# Altium PCB PCB - PCBWAY.PcbDoc (part 2 of 4) (continued)
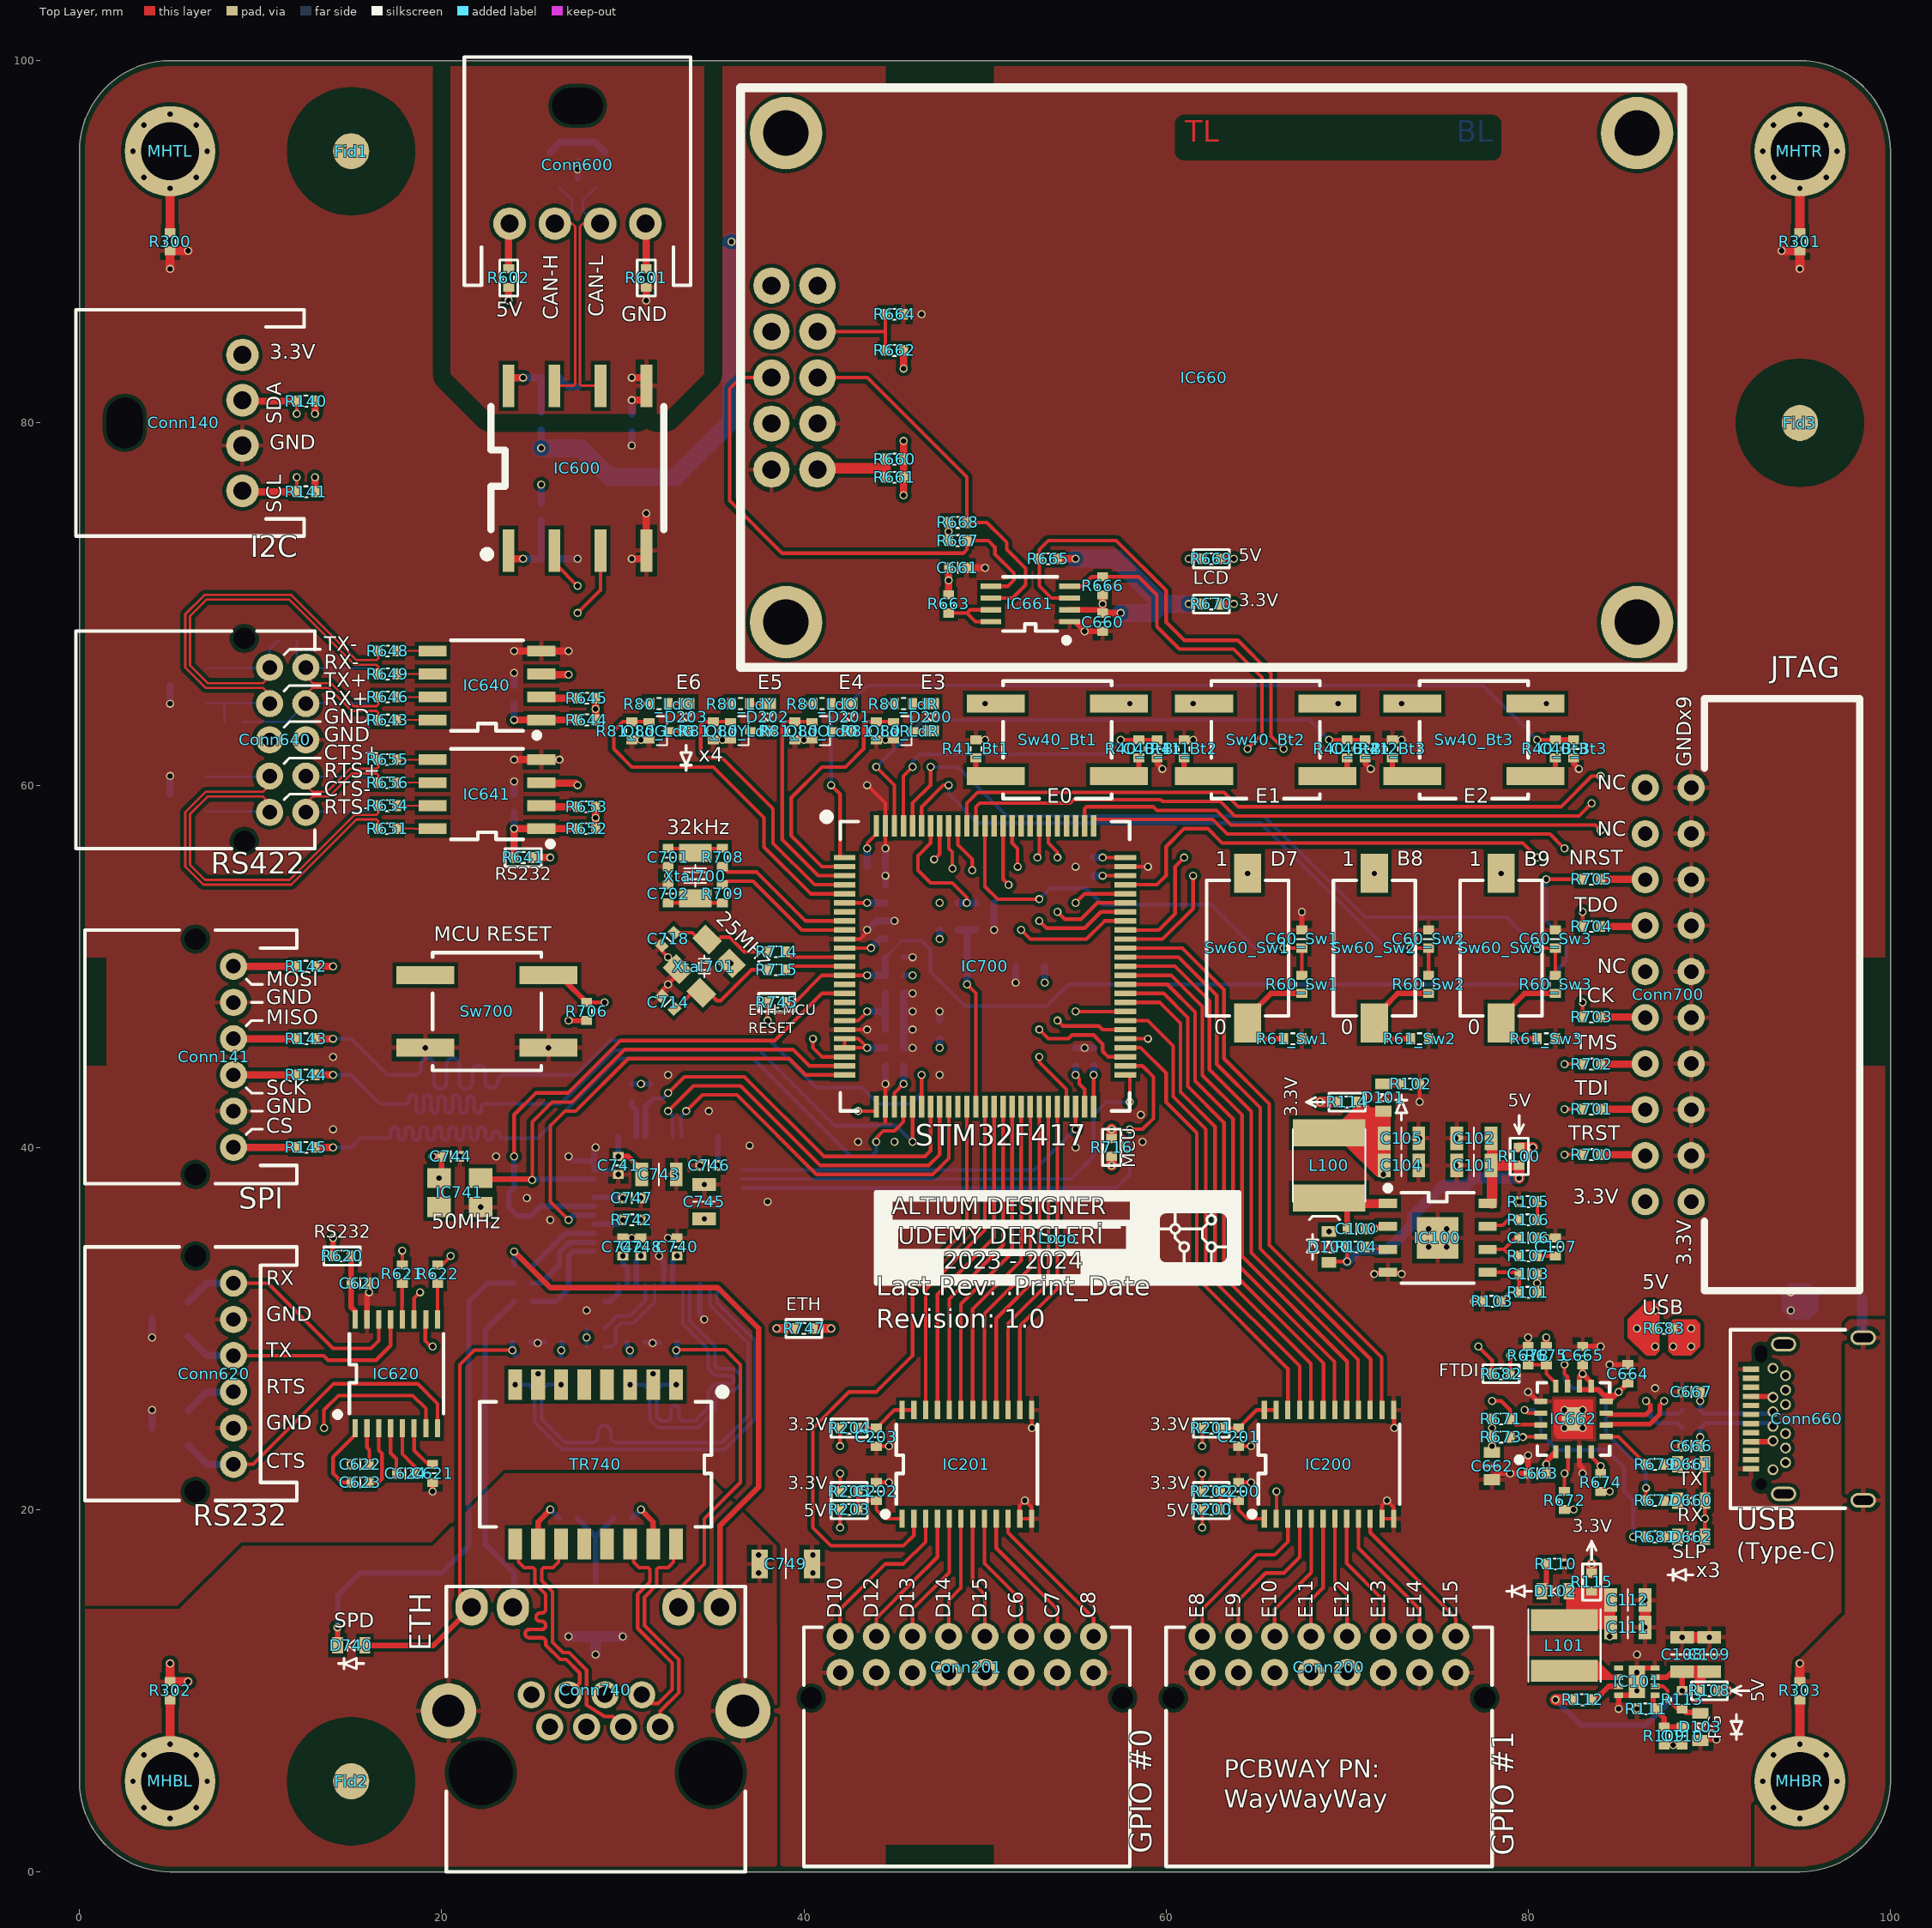
[diagram p0: Top Layer view]
## Part data (continued)
MHBL MHBR MHTL MHTR: "Mechanical, Mounting Hole", Component Category=Mechanical, Component Type="Mounting Hole"
Pin300 Pin301 Pin318 Pin319 Pin352 Pin353 Pin356 Pin357: "Pin, JST, SXA-001T-P0.6", Manufacturer=JST, Manufacturer Part Number=SXA-001T-P0.6, Operating Temperature, Max=---℃, Package=Housing, Supplier Part Number=455-1904-1-ND, Component Category=Connector, Component Type=Pin, ComponentLink1Description=Datasheet, ComponentLink1URL="E:\Altium\Datasheets\Connector - JST\XA Family.pdf", ComponentLink2Description="Supplier Link", ComponentLink2URL=https://www.digikey.com/en/products/detail/jst-sales-america-inc/SXA-001T-P0-6/923775, Operating Temperature, Min=---℃, Price, Max=0.01303, Price, Min=0.1, Quantity, Max=56000, Quantity, Min=1, Supplier=Digikey, Supplier Currency=$, Supplier Link=https://www.digikey.com/en/products/detail/jst-sales-america-inc/SXA-001T-P0-6/923775
Pin302 Pin303 Pin304 Pin305 Pin306 Pin307 Pin308 Pin309 Pin310 Pin311 Pin312 Pin313 Pin314 Pin315 Pin316 Pin317 Pin320 Pin321 Pin322 Pin323 Pin324 Pin325 Pin326 Pin327 Pin328 Pin329 Pin330 Pin331 Pin332 Pin333 Pin334 Pin335 Pin336 Pin337 Pin338 Pin343 Pin344 Pin345 Pin348 Pin349 Pin350 Pin351: "Pin, JST, SPND-001T-C0.5", Manufacturer=JST, Manufacturer Part Number=SPND-001T-C0.5, Operating Temperature, Max=---℃, Package=Housing, Supplier Part Number=455-2303-1-ND, Component Category=Connector, Component Type=PCB, ComponentLink1Description=Datasheet, ComponentLink1URL="E:\Altium\Datasheets\Connector - JST\PAD Family.pdf", ComponentLink2Description="Supplier Link", ComponentLink2URL=https://www.digikey.com/en/products/detail/jst-sales-america-inc/SPND-001T-C0-5/1788519, Operating Temperature, Min=---℃, Price, Max=0.01409, Price, Min=0.1, Quantity, Max=56000, Quantity, Min=1, Supplier=Digikey, Supplier Currency=$, Supplier Link=https://www.digikey.com/en/products/detail/jst-sales-america-inc/SPND-001T-C0-5/1788519
Pin339 Pin340 Pin341 Pin342 Pin346 Pin347: "Pin, JST, SPHD-001T-P0.5", Manufacturer=JST, Manufacturer Part Number=SPHD-001T-P0.5, Operating Temperature, Max=*℃, Package=Housing, Supplier Part Number=455-1325-1-ND, Component Category=Connector, Component Type=PCB, ComponentLink1Description=Datasheet, ComponentLink1URL="E:\Altium\Datasheets\Connector - JST\PA Family.pdf", ComponentLink2Description="Supplier Link", ComponentLink2URL=https://www.digikey.com/en/products/detail/jst-sales-america-inc/SPHD-001T-P0-5/608766, Operating Temperature, Min=*℃, Price, Max=0.01478, Price, Min=0.1, Quantity, Max=2500, Quantity, Min=1, Supplier=Digikey, Supplier Currency=$, Supplier Link=https://www.digikey.com/en/products/detail/jst-sales-america-inc/SPHD-001T-P0-5/608766
Pin354 Pin355 Pin358 Pin359 Pin360 Pin361: "IC, Interface, FTDI, QFN-16", Manufacturer=JST, Manufacturer Part Number=SPHD-001T-P0.5, Operating Temperature, Max=*℃, Package=Housing, Supplier Part Number=455-1325-1-ND, Component Category=Connector, Component Type=PCB, ComponentLink1Description=Datasheet, ComponentLink1URL="E:\Altium\Datasheets\Connector - JST\PA Family.pdf", ComponentLink2Description="Supplier Link", ComponentLink2URL=https://www.digikey.com/en/products/detail/jst-sales-america-inc/SPHD-001T-P0-5/608766, Operating Temperature, Min=*℃, Price, Max=0.01478, Price, Min=0.1, Quantity, Max=2500, Quantity, Min=1, Supplier=Digikey, Supplier Currency=$, Supplier Link=https://www.digikey.com/en/products/detail/jst-sales-america-inc/SPHD-001T-P0-5/608766
Q80_LdG Q80_LdO Q80_LdR Q80_LdY: "MOSFET, N-CH, 20V, 100mA, SOT-416FL", Current=100mA, Manufacturer=Rohm, Manufacturer Part Number=RE1C001UNTCL, Operating Temperature, Max=*℃, Package="SOT-416FL, SC-89", Supplier Part Number=RE1C001UNTCLCT-ND, Voltage=20V, Component Category=Transistor, Component Type=Mosfet, ComponentLink1Description=Datasheet, ComponentLink1URL="E:\Altium\Datasheets\Transistor\Rohm, RE1C001UN.pdf", ComponentLink2Description="Supplier Link", ComponentLink2URL=https://www.digikey.com/en/products/detail/rohm-semiconductor/RE1C001UNTCL/4004557, Operating Temperature, Min=*℃, Price, Max=0.0638, Price, Min=0.42, Quantity, Max=6000, Quantity, Min=1, Supplier=Digikey, Supplier Currency=$, Supplier Link=https://www.digikey.com/en/products/detail/rohm-semiconductor/RE1C001UNTCL/4004557
R40_Bt1 R40_Bt2 R40_Bt3 R60_Sw1 R60_Sw2 R60_Sw3 R102 R110 R113 R707: "Res, 1K, 1%, M1005", Manufacturer=Yageo, Manufacturer Part Number=RC0402FR-071KP, Operating Temperature, Max=-55℃, Operating Temperature, Min=+155℃, Package=M1005, Supplier Part Number=YAG1254CT-ND, Tolerance=1%, Component Category=Resistor, Component Type="Fixed Value", ComponentLink1Description=Datasheet, ComponentLink1URL="E:\Altium\Datasheets\Resistor\Yageo - RC_L Series.pdf", ComponentLink2Description="Supplier Link", ComponentLink2URL=https://www.digikey.com/en/products/detail/yageo/RC0402FR-071KP/4935269, Price, Max=0.00282, Price, Min=0.1, Quantity, Max=100000, Quantity, Min=1, Supplier=Digikey, Supplier Currency=$, Supplier Link=https://www.digikey.com/en/products/detail/yageo/RC0402FR-071KP/4935269
R41_Bt1 R41_Bt2 R41_Bt3 R61_Sw1 R61_Sw2 R61_Sw3 R81_LdG R81_LdO R81_LdR R81_LdY R111: "Res, 10K, 1%, M1005", Manufacturer=Yageo, Manufacturer Part Number=RC0402FR-07100KP, Operating Temperature, Max=-55℃, Operating Temperature, Min=+155℃, Package=M1005, Supplier Part Number=13-RC0402FR-07100KPCT-ND, Tolerance=1%, Component Category=Resistor, Component Type="Fixed Value", ComponentLink1Description=Datasheet, ComponentLink1URL="E:\Altium\Datasheets\Resistor\Yageo - RC_L Series.pdf", ComponentLink2Description="Supplier Link", ComponentLink2URL=https://www.digikey.com/en/products/detail/yageo/RC0402FR-07100KP/12698883, Price, Max=0.00282, Price, Min=0.1, Quantity, Max=100000, Quantity, Min=1, Supplier=Digikey, Supplier Currency=$, Supplier Link=https://www.digikey.com/en/products/detail/yageo/RC0402FR-07100KP/12698883
R80_LdG R80_LdO R80_LdR R80_LdY R142 R143 R144 R145 R621 R622 R645 R653 R660 R661 R677 R679 R681 R748 R749 R752: "Res, 330R, 1%, M1005", Manufacturer=Yageo, Manufacturer Part Number=RC0402FR-07330RL, Operating Temperature, Max=-55℃, Operating Temperature, Min=+155℃, Package=M1005, Supplier Part Number=311-330LRCT-ND, Tolerance=1%, Component Category=Resistor, Component Type="Fixed Value", ComponentLink1Description=Datasheet, ComponentLink1URL="E:\Altium\Datasheets\Resistor\Yageo - RC_L Series.pdf", ComponentLink2Description="Supplier Link", ComponentLink2URL=https://www.digikey.com/en/products/detail/yageo/RC0402FR-07330RL/726594, Price, Max=0.00129, Price, Min=0.1, Quantity, Max=100000, Quantity, Min=1, Supplier=Digikey, Supplier Currency=$, Supplier Link=https://www.digikey.com/en/products/detail/yageo/RC0402FR-07330RL/726594
R100 R108 R112 R114 R115 R200 R201 R202 R203 R204 R205 R300 R301 R302 R303 R600 R601 R602 R603 R604 R620 R641 R657 R658 R669 R670 R682 R683 R708 R709 R710 R711 R712 R713 R714 R715 R716 R745 R747: "Res, 0R, M1005", Manufacturer=Yageo, Manufacturer Part Number=RC0402FR-070RL, Operating Temperature, Max=-55℃, Operating Temperature, Min=+155℃, Package=M1005, Supplier Part Number=311-0.0LRCT-ND, Component Category=Resistor, Component Type="Fixed Value", ComponentLink1Description=Datasheet, ComponentLink1URL="E:\Altium\Datasheets\Resistor\Yageo - RC_L Series.pdf", ComponentLink2Description="Supplier Link", ComponentLink2URL=https://www.digikey.com/en/products/detail/yageo/RC0402FR-070RL/2827570, Price, Max=0.00109, Price, Min=0.1, Quantity, Max=50000, Quantity, Min=1, Supplier=Digikey, Supplier Currency=$, Supplier Link=https://www.digikey.com/en/products/detail/yageo/RC0402FR-070RL/2827570
R101: "Res, 56K, 1%, M1005", Manufacturer=Yageo, Manufacturer Part Number=RC0402FR-0775KL, Operating Temperature, Max=-55℃, Operating Temperature, Min=+155℃, Package=M1005, Supplier Part Number=311-75KLRCT-ND, Tolerance=1%, Component Category=Resistor, Component Type="Fixed Value", ComponentLink1Description=Datasheet, ComponentLink1URL="E:\Altium\Datasheets\Resistor\Yageo - RC_L Series.pdf", ComponentLink2Description="Supplier Link", ComponentLink2URL=https://www.digikey.com/en/products/detail/yageo/RC0402FR-0775KL/2827576, Price, Max=0.00129, Price, Min=0.1, Quantity, Max=100000, Quantity, Min=1, Supplier=Digikey, Supplier Currency=$, Supplier Link=https://www.digikey.com/en/products/detail/yageo/RC0402FR-0775KL/2827576
R103: "Res, 24K, 1%, M1005", Manufacturer=Yageo, Manufacturer Part Number=RC0402FR-0724KL, Operating Temperature, Max=-55℃, Operating Temperature, Min=+155℃, Package=M1005, Supplier Part Number=311-24KLRCT-ND, Tolerance=1%, Component Category=Resistor, Component Type="Fixed Value", ComponentLink1Description=Datasheet, ComponentLink1URL="E:\Altium\Datasheets\Resistor\Yageo - RC_L Series.pdf", ComponentLink2Description="Supplier Link", ComponentLink2URL=https://www.digikey.com/en/products/detail/yageo/RC0402FR-0724KL/2827581, Price, Max=0.00129, Price, Min=0.1, Quantity, Max=100000, Quantity, Min=1, Supplier=Digikey, Supplier Currency=$, Supplier Link=https://www.digikey.com/en/products/detail/yageo/RC0402FR-0724KL/2827581
R104: "Res, 16K, 1%, M1005", Manufacturer=Yageo, Manufacturer Part Number=RC0402FR-07150KL, Operating Temperature, Max=-55℃, Operating Temperature, Min=+155℃, Package=M1005, Supplier Part Number=311-150KLRCT-ND, Tolerance=1%, Component Category=Resistor, Component Type="Fixed Value", ComponentLink1Description=Datasheet, ComponentLink1URL="E:\Altium\Datasheets\Resistor\Yageo - RC_L Series.pdf", ComponentLink2Description="Supplier Link", ComponentLink2URL=https://www.digikey.com/en/products/detail/yageo/RC0402FR-07150KL/726542, Price, Max=0.00129, Price, Min=0.1, Quantity, Max=100000, Quantity, Min=1, Supplier=Digikey, Supplier Currency=$, Supplier Link=https://www.digikey.com/en/products/detail/yageo/RC0402FR-07150KL/726542
R105 R106: "Res, 56K, 1%, M1005", Manufacturer=Yageo, Manufacturer Part Number=RC0402FR-0756KL, Operating Temperature, Max=-55℃, Operating Temperature, Min=+155℃, Package=M1005, Supplier Part Number=311-56.0KLRCT-ND, Tolerance=1%, Component Category=Resistor, Component Type="Fixed Value", ComponentLink1Description=Datasheet, ComponentLink1URL="E:\Altium\Datasheets\Resistor\Yageo - RC_L Series.pdf", ComponentLink2Description="Supplier Link", ComponentLink2URL=https://www.digikey.com/en/products/detail/yageo/RC0402FR-0756KL/726635, Price, Max=0.00129, Price, Min=0.1, Quantity, Max=100000, Quantity, Min=1, Supplier=Digikey, Supplier Currency=$, Supplier Link=https://www.digikey.com/en/products/detail/yageo/RC0402FR-0756KL/726635
R107: "Res, 16K, 1%, M1005", Manufacturer=Yageo, Manufacturer Part Number=RC0402FR-0716KL, Operating Temperature, Max=-55℃, Operating Temperature, Min=+155℃, Package=M1005, Supplier Part Number=311-16.0KLRCT-ND, Tolerance=1%, Component Category=Resistor, Component Type="Fixed Value", ComponentLink1Description=Datasheet, ComponentLink1URL="E:\Altium\Datasheets\Resistor\Yageo - RC_L Series.pdf", ComponentLink2Description="Supplier Link", ComponentLink2URL=https://www.digikey.com/en/products/detail/yageo/RC0402FR-0716KL/726544, Price, Max=0.00129, Price, Min=0.1, Quantity, Max=100000, Quantity, Min=1, Supplier=Digikey, Supplier Currency=$, Supplier Link=https://www.digikey.com/en/products/detail/yageo/RC0402FR-0716KL/726544
R109: "Res, 10K, 1%, M1005", Manufacturer=Yageo, Manufacturer Part Number=RC0402FR-07453KL, Operating Temperature, Max=-55℃, Operating Temperature, Min=+155℃, Package=M1005, Supplier Part Number=YAG3164CT-ND, Tolerance=1%, Component Category=Resistor, Component Type="Fixed Value", ComponentLink1Description=Datasheet, ComponentLink1URL="E:\Altium\Datasheets\Resistor\Yageo - RC_L Series.pdf", ComponentLink2Description="Supplier Link", ComponentLink2URL=https://www.digikey.com/en/products/detail/yageo/RC0402FR-07453KL/5281024, Price, Max=0.00129, Price, Min=0.1, Quantity, Max=100000, Quantity, Min=1, Supplier=Digikey, Supplier Currency=$, Supplier Link=https://www.digikey.com/en/products/detail/yageo/RC0402FR-07453KL/5281024
R140 R141 R740 R741 R743 R744: "Res, 2.2K, 1%, M1005", Manufacturer=Yageo, Manufacturer Part Number=RC0402FR-072K2L, Operating Temperature, Max=-55℃, Operating Temperature, Min=+155℃, Package=M1005, Supplier Part Number=311-2.20KLRCT-ND, Tolerance=1%, Component Category=Resistor, Component Type="Fixed Value", ComponentLink1Description=Datasheet, ComponentLink1URL="E:\Altium\Datasheets\Resistor\Yageo - RC_L Series.pdf", ComponentLink2Description="Supplier Link", ComponentLink2URL=https://www.digikey.com/en/products/detail/yageo/RC0402FR-072K2L/726553, Price, Max=0.00129, Price, Min=0.1, Quantity, Max=100000, Quantity, Min=1, Supplier=Digikey, Supplier Currency=$, Supplier Link=https://www.digikey.com/en/products/detail/yageo/RC0402FR-072K2L/726553
R605 R606 R640 R642 R647 R650: "Res, 60.4R, 1%, M1005", Manufacturer=Yageo, Manufacturer Part Number=RC0805FR-0760R4L, Operating Temperature, Max=-55℃, Operating Temperature, Min=+155℃, Package=M2012, Supplier Part Number=311-60.4CRCT-ND, Tolerance=1%, Component Category=Resistor, Component Type="Fixed Value", ComponentLink1Description=Datasheet, ComponentLink1URL="E:\Altium\Datasheets\Resistor\Yageo - RC_L Series.pdf", ComponentLink2Description="Supplier Link", ComponentLink2URL=https://www.digikey.com/en/products/detail/yageo/RC0805FR-0760R4L/728073, Price, Max=0.00328, Price, Min=0.1, Quantity, Max=125000, Quantity, Min=1, Supplier=Digikey, Supplier Currency=$, Supplier Link=https://www.digikey.com/en/products/detail/yageo/RC0805FR-0760R4L/728073
R643 R646 R648 R649 R651 R654 R655 R656 R676 R680 R700 R701 R702 R703 R704 R705: "Res, 22R, 1%, M1005", Manufacturer=Yageo, Manufacturer Part Number=RC0402FR-0722RL, Operating Temperature, Max=-55℃, Operating Temperature, Min=+155℃, Package=M1005, Supplier Part Number=311-22.0LRCT-ND, Tolerance=1%, Component Category=Resistor, Component Type="Fixed Value", ComponentLink1Description=Datasheet, ComponentLink1URL="E:\Altium\Datasheets\Resistor\Yageo - RC_L Series.pdf", ComponentLink2Description="Supplier Link", ComponentLink2URL=https://www.digikey.com/en/products/detail/yageo/RC0402FR-0722RL/726562, Price, Max=0.00129, Price, Min=0.1, Quantity, Max=100000, Quantity, Min=1, Supplier=Digikey, Supplier Currency=$, Supplier Link=https://www.digikey.com/en/products/detail/yageo/RC0402FR-0722RL/726562
R644 R652 R662 R664 R665 R666 R667 R668 R678 R706 R742: "Res, 10K, 1%, M1005", Manufacturer=Yageo, Manufacturer Part Number=RC0402FR-0710KP, Operating Temperature, Max=-55℃, Operating Temperature, Min=+155℃, Package=M1005, Supplier Part Number=YAG1249CT-ND, Tolerance=1%, Component Category=Resistor, Component Type="Fixed Value", ComponentLink1Description=Datasheet, ComponentLink1URL="E:\Altium\Datasheets\Resistor\Yageo - RC_L Series.pdf", ComponentLink2Description="Supplier Link", ComponentLink2URL=https://www.digikey.com/en/products/detail/yageo/RC0402FR-0710KP/4935264, Price, Max=0.00282, Price, Min=0.1, Quantity, Max=100000, Quantity, Min=1, Supplier=Digikey, Supplier Currency=$, Supplier Link=https://www.digikey.com/en/products/detail/yageo/RC0402FR-0710KP/4935264
R663: "Res, 10K, 1%, M1005", Manufacturer=Yageo, Manufacturer Part Number=RC0402FR-07200KL, Operating Temperature, Max=-55℃, Operating Temperature, Min=+155℃, Package=M1005, Supplier Part Number=311-200KLRCT-ND, Tolerance=1%, Component Category=Resistor, Component Type="Fixed Value", ComponentLink1Description=Datasheet, ComponentLink1URL="E:\Altium\Datasheets\Resistor\Yageo - RC_L Series.pdf", ComponentLink2Description="Supplier Link", ComponentLink2URL=https://www.digikey.com/en/products/detail/yageo/RC0402FR-07200KL/726558, Price, Max=0.00129, Price, Min=0.1, Quantity, Max=100000, Quantity, Min=1, Supplier=Digikey, Supplier Currency=$, Supplier Link=https://www.digikey.com/en/products/detail/yageo/RC0402FR-07200KL/726558
R671 R672 R673 R674 R675: "Res, 4.7K, 1%, M1005", Manufacturer=Yageo, Manufacturer Part Number=RC0402FR-074K7L, Operating Temperature, Max=-55℃, Operating Temperature, Min=+155℃, Package=M1005, Supplier Part Number=311-4.7KLRCT-ND, Tolerance=1%, Component Category=Resistor, Component Type="Fixed Value", ComponentLink1Description=Datasheet, ComponentLink1URL="E:\Altium\Datasheets\Resistor\Yageo - RC_L Series.pdf", ComponentLink2Description="Supplier Link", ComponentLink2URL=https://www.digikey.com/en/products/detail/yageo/RC0402FR-074K7L/2827563, Price, Max=0.00129, Price, Min=0.1, Quantity, Max=100000, Quantity, Min=1, Supplier=Digikey, Supplier Currency=$, Supplier Link=https://www.digikey.com/en/products/detail/yageo/RC0402FR-074K7L/2827563
R746: "Res, 4.87K, 1%, M1005", Manufacturer=Yageo, Manufacturer Part Number=RC0402FR-074K87L, Operating Temperature, Max=-55℃, Operating Temperature, Min=+155℃, Package=M1005, Supplier Part Number=YAG3175CT-ND, Tolerance=1%, Component Category=Resistor, Component Type="Fixed Value", ComponentLink1Description=Datasheet, ComponentLink1URL="E:\Altium\Datasheets\Resistor\Yageo - RC_L Series.pdf", ComponentLink2Description="Supplier Link", ComponentLink2URL=https://www.digikey.com/en/products/detail/yageo/RC0402FR-074K87L/5281035, Price, Max=0.00129, Price, Min=0.1, Quantity, Max=100000, Quantity, Min=1, Supplier=Digikey, Supplier Currency=$, Supplier Link=https://www.digikey.com/en/products/detail/yageo/RC0402FR-074K87L/5281035
R750 R751 R753 R754: "Res, 51R, 1%, M1005", Manufacturer=Yageo, Manufacturer Part Number=RC0402FR-0751RL, Operating Temperature, Max=-55℃, Operating Temperature, Min=+155℃, Package=M1005, Supplier Part Number=311-51.0LRCT-ND, Tolerance=1%, Component Category=Resistor, Component Type="Fixed Value", ComponentLink1Description=Datasheet, ComponentLink1URL="E:\Altium\Datasheets\Resistor\Yageo - RC_L Series.pdf", ComponentLink2Description="Supplier Link", ComponentLink2URL=https://www.digikey.com/en/products/detail/yageo/RC0402FR-0751RL/726629, Price, Max=0.00129, Price, Min=0.1, Quantity, Max=100000, Quantity, Min=1, Supplier=Digikey, Supplier Currency=$, Supplier Link=https://www.digikey.com/en/products/detail/yageo/RC0402FR-0751RL/726629
R755 R756: "Res, 75R, 1%, M1005", Manufacturer=Yageo, Manufacturer Part Number=RC0402FR-0775RL, Operating Temperature, Max=-55℃, Operating Temperature, Min=+155℃, Package=M1005, Supplier Part Number=311-75.0LRCT-ND, Tolerance=1%, Component Category=Resistor, Component Type="Fixed Value", ComponentLink1Description=Datasheet, ComponentLink1URL="E:\Altium\Datasheets\Resistor\Yageo - RC_L Series.pdf", ComponentLink2Description="Supplier Link", ComponentLink2URL=https://www.digikey.com/en/products/detail/yageo/RC0402FR-0775RL/726658, Price, Max=0.00129, Price, Min=0.1, Quantity, Max=100000, Quantity, Min=1, Supplier=Digikey, Supplier Currency=$, Supplier Link=https://www.digikey.com/en/products/detail/yageo/RC0402FR-0775RL/726658
Sw40_Bt1 Sw40_Bt2 Sw40_Bt3 Sw700: "Switch, Tactile, SPST, SMD", Manufacturer=Panasonic, Manufacturer Part Number=EVQ-Q2K03W, Operating Temperature, Max=+85℃, Operating Temperature, Min=-40℃, Package=SMD, Supplier Part Number=P12943SCT-ND, Component Category=Switch, Component Type=Tactile, ComponentLink1Description=Datasheet, ComponentLink1URL="E:\Altium\Datasheets\Switch\Tactile, SPST - Panasonic, EVQP0, EVQQ2, EVQ6Q2, EVQ7Q2, EVPBT Series.pdf", ComponentLink2Description="Supplier Link", ComponentLink2URL=https://www.digikey.com/en/products/detail/panasonic-electronic-components/EVQ-Q2K03W/762893, Price, Max=0.16174, Price, Min=0.32, Quantity, Max=10000, Quantity, Min=1, Supplier=Digikey, Supplier Currency=$, Supplier Link=https://www.digikey.com/en/products/detail/panasonic-electronic-components/EVQ-Q2K03W/762893
Sw60_Sw1 Sw60_Sw2 Sw60_Sw3: "Switch, Slide, SPST, SMD", Manufacturer=C&K, Manufacturer Part Number=SDA01H1SBD, Operating Temperature, Max=+85℃, Operating Temperature, Min=-40℃, Package=SMD, Supplier Part Number=CKN10358-ND, Component Category=Switch, Component Type=Slide, ComponentLink1Description=Datasheet, ComponentLink1URL="E:\Altium\Datasheets\Switch\Slide, SPST - C&K, SDA Series.pdf", ComponentLink2Description="Supplier Link", ComponentLink2URL=https://www.digikey.com/en/products/detail/c-k/SDA01H1SBD/2263273, Price, Max=0.69803, Price, Min=1.34, Quantity, Max=5000, Quantity, Min=1, Supplier=Digikey, Supplier Currency=$, Supplier Link=https://www.digikey.com/en/products/detail/c-k/SDA01H1SBD/2263273
TR740: Manufacturer=Bourns, Manufacturer Part Number=SM13126PEL, Operating Temperature, Max=+85℃, Operating Temperature, Min=-40℃, Package="SMD, 12.8x6.9 mm", Supplier Part Number=SM13126PELCT-ND, Component Category=Transformer, Component Type=Pulse, ComponentLink1Description=Datasheet, ComponentLink1URL="E:\Altium\Datasheets\Transformer\Transformer, Pulse - Bourns, SM51108PEL.pdf", ComponentLink2Description="Supplier Link", ComponentLink2URL=https://www.digikey.com/en/products/detail/bourns-inc/SM13126PEL/10229989, Price, Max=1.05049, Price, Min=2.17, Quantity, Max=6000, Quantity, Min=1, Supplier=Digikey, Supplier Currency=$, Supplier Link=https://www.digikey.com/en/products/detail/bourns-inc/SM13126PEL/10229989
TVS620 TVS621 TVS640 TVS641 TVS642 TVS643: "TVS, 2P, Bidirectional, 7V/12V, SOT-23-3", Manufacturer=Bourns, Manufacturer Part Number=CDSOT23-SM712, Operating Temperature, Max=+150℃, Operating Temperature, Min=-55℃, Package=SOT-23-3, Supplier Part Number=CDSOT23-SM712CT-ND, Voltage, Break Down=7.5V...13.3V, Voltage, Stand Off=7V...12V, Component Category=Diode, Component Type=TVS, ComponentLink1Description=Datasheet, ComponentLink1URL="E:\Altium\Datasheets\Diode\Bourns, CDSOT23-SM712.pdf", ComponentLink2Description="Supplier Link", ComponentLink2URL=https://www.digikey.com/en/products/detail/bourns-inc/CDSOT23-SM712/1630592, Price, Max=0.675, Price, Min=1.59, Quantity, Max=3000, Quantity, Min=1, Supplier=Digikey, Supplier Currency=$, Supplier Link=https://www.digikey.com/en/products/detail/bourns-inc/CDSOT23-SM712/1630592
Xtal700: "XTAL, 32.768kHz, 12.5pF", Frequency=32.768kHz, Manufacturer=NDK, Manufacturer Part Number=NX3215SA-32.768K-STD-MUS-2, Operating Temperature, Max=+125℃, Operating Temperature, Min=-40℃, Package=SMD, Supplier Part Number=644-1159-1-ND, Component Category=Crystal, Component Type=Crystal, ComponentLink1Description=Datasheet, ComponentLink1URL="E:\Altium\Datasheets\Crystal\NDK, NX3215SA.pdf", ComponentLink2Description="Supplier Link", ComponentLink2URL=https://www.digikey.com/en/products/detail/ndk-america-inc/NX3215SA-32-768K-STD-MUS-2/2349033, Price, Max=0.3432, Price, Min=0.74, Quantity, Max=15000, Quantity, Min=1, Supplier=Digikey, Supplier Currency=$, Supplier Link=https://www.digikey.com/en/products/detail/ndk-america-inc/NX3215SA-32-768K-STD-MUS-2/2349033
Xtal701: "XTAL, 25MHz, 12pF", Frequency=25MHz, Manufacturer=Kyocera, Manufacturer Part Number=CX3225SB25000H0FLJCC, Operating Temperature, Max=+85℃, Operating Temperature, Min=-30℃, Package=SMD, Supplier Part Number=478-CX3225SB25000H0FLJCCCT-ND, Component Category=Crystal, Component Type=Crystal, ComponentLink1Description=Datasheet, ComponentLink1URL="E:\Altium\Datasheets\Crystal\Kyocera, CX3225SB.pdf", ComponentLink2Description="Supplier Link", ComponentLink2URL=https://www.digikey.com/en/products/detail/kyocera-avx/cx3225sb25000h0fljcc/6123312, Price, Max=0.34087, Price, Min=0.66, Quantity, Max=15000, Quantity, Min=1, Supplier=Digikey, Supplier Currency=$, Supplier Link=https://www.digikey.com/en/products/detail/kyocera-avx/cx3225sb25000h0fljcc/6123312

## Via types
v1: diameter 0.45, hole 0.3, Top Layer to Bottom Layer, 245 vias
v2: diameter 0.45, hole 0.3, Top Layer to Bottom Layer, tented top, 88 vias
v3: diameter 0.45, hole 0.3, Top Layer to Bottom Layer, tented bottom, 32 vias
v4: diameter 0.45, hole 0.3, Top Layer to Bottom Layer, tented both sides, 2 vias

## Nets (pads, with @x,y where several pads share a name; then routed paths per layer and width w, separated by ;. In a path a pad name is that pad's centre, name@x,y a point inside that pad or via, vN(x,y) a via of type N, cw(c..) or ccw(c..) an arc to the next point about the centre after c; other vN are vias at no path point)
3.3V: Conn140.1 Conn700.1 Conn700.2 R80_LdG.1 R80_LdO.1 R80_LdR.1 R80_LdY.1 R114.2 R115.2 R140.1 R141.1 R201.1 R202.2 R204.1 R205.2 R600.1 R620.1 R641.1 R670.1 R682.1 R706.1 R716.1 R747.1 Sw40_Bt1.A Sw40_Bt2.A Sw40_Bt3.A Sw60_Sw1.A Sw60_Sw2.A Sw60_Sw3.A | length 17.2
  Top Layer w0.2: v2(31,64.5) R80_LdG.1@31.5,64.5 ; v2(35.5,64.5) R80_LdY.1@36,64.5 ; v2(40,64.5) R80_LdO.1@40.5,64.5 ; R205.2@42,21 v1(42,22) ; v1(42,23.5) R204.1@42,24.5 ; v2(44.5,64.5) R80_LdR.1@45,64.5 ; R202.2@62,21 v1(62,22) ; v1(62,23.5) R201.1@62,24.5 ; v1(77.25,29) 78,28.25 78,27.75 R682.1@78,27.5
  Top Layer w0.3: R620.1@14,34 v2(14,35) ; v1(27,47) R706.1@28,47
  Top Layer w0.4: R141.1@13,76.2 v1(13,77) ; v2(13,80.5) R140.1@13,81.2 R140.1@13,81.3 ; R641.1@25,56 v1(26,56) ; R670.1@63,70 v2(63.75,70)
  Top Layer w0.5: R747.1@40.5,30 v1(41.5,30)
  Top Layer w0.6: v1(57,39) R716.1@57,39.5 ; v2(68.5,42.5) R114.2@69.5,42.5 ; R115.2@83.5,16.5 v2(83.5,17)
  Bottom Layer w0.4: R600.1@25.5,75.6 v1(25.5,76.6)
  other v1: 64.5,55.125 71.5,55.125 78.5,55.125 50,64.5 58,64.5 61.5,64.5 69.5,64.5 73,64.5 81,64.5
3.3V_AP: C110.1 C111.1 C112.1 D102.A L101.2 R109.1 R115.1 | length 9.2
  Layer 3 w0.3: v1(84.5,13) 84.5,9.9 84.1,9.5 84.1,8.4 84.6,7.9 86.4,7.9 87.3,7 v2(88,7)
3.3V_ETH: C744.1 C745.1 C746.1 C747.1 C748.1 C750.2 C752.1 C753.1 C754.2 Conn740.L1-A Conn740.L2-A D740.A IC740.22 IC740.32 IC740.48 IC741.EN IC741.VDD R740.1 R741.1 R742.1 R743.1 R744.1 R747.2 R750.2 R751.1 R753.2 R754.1 TR740.2 TR740.7 | length 56.8
  Top Layer w0.2: Conn740.L1-A@21.65,14.604 21,15.254 21,28 21.8,28.8 v3(23.9,28.8) ; v3@32.975,28.825 35.675,28.825 36.5,28 36.5,21.5 34.5,19.5 34.5,17 33.08,15.58 Conn740.L2-A@33.08,14.604
  Top Layer w0.3: D740.A@15.8,12.5 19.546,12.5 Conn740.L1-A@21.65,14.604 ; v2(19.5,39.5) C744.1@20,39.5 20,36.85 IC741.EN@19.85,36.7 ; v3(32.95,28.8) v3@32.975,28.825
  Top Layer w0.5: v1(38.5,30) R747.2@39.5,30
  Bottom Layer w0.2: R743.1@28,29 v3(28,29.5) R744.1@28,30
  Bottom Layer w0.3: C752.1@23.9,29.25 v3(23.9,28.8) 24.055,28.645 R754.1@24.055,28.5 ; R753.2@26.595,28.475 26.595,28.795 v3(26.6,28.8) 26.65,28.85 C754.2@26.65,29.25 ; IC740.32@28.4,37.25 29.95,37.25 v1(30,37.2) ; C753.1@30.25,29.25 30.25,28.95 v3(30.4,28.8) 30.405,28.795 R751.1@30.405,28.5 ; R741.1@30.5,43.5 v1(31,43.5) R740.1@31.5,43.5 ; IC740.22@30.75,32.4 30.75,33.75 v1(31,34) ; R750.2@32.945,28.475 R750.2@32.945,28.5 32.945,28.795 v3(32.95,28.8) 33,28.85 C750.2@33,29.25 ; v1(35.25,39) IC740.48@35.25,40.6
  other v1: 25.325,27.5 31.675,27.5 31,36 34.5,36.05 19.85,38.3
3.3V_FT: C662.1 C663.1 C664.1 C665.1 D660.A D661.A D662.A IC662.1 IC662.8 IC662.9 IC662.10 R671.1 R672.1 R673.1 R674.1 R682.2 | length 16.1
  Top Layer w0.2: R682.2@79,27.5 v1(79,28.5) ; v2(81,22.5) v2@81,22.665 ; IC662.8@84.31,25.975 IC662.8@84.475,25.975 ; D662.A@89.75,18.5 v2(89.75,19.5) D660.A@89.75,20.5 D661.A@89.75,22.5
  Top Layer w0.3: C662.1@78,23.25 v2(78,24.5) R671.1@78,25 ; C663.1@81,22 v2(81,22.5) ; v2@81,22.665 IC662.1@81.525,23.19 ; R672.1@82,20 v2(82.5,20) ; IC662.10@82.825,26.81 82.825,27.325 v2(83,27.5) ; IC662.10@82.857,26.626 83.874,26.626 84.187,26.313 ; C665.1@83,28 v2(83,27.5) ; IC662.9@83.475,26.81 83.475,27.025 v2(83,27.5) ; R674.1@84,21 v2(84.5,21) ; IC662.8@84.475,25.975 IC662.8@84.5,26 ; 84.8,26.313 84.187,26.313 ; v2@84.987,26.488 IC662.8@84.5,26 ; C664.1@85.5,27 v2(85,26.5) IC662.8@84.5,26 ; 84.187,26.313 IC662.8@84.5,26
  other v2: 78,23.5
3.3V_LCD: C660.1 IC661.2 R665.1 R666.1 R670.2 | length 15.3
  Top Layer w0.3: IC661.2@54.675,69.675 C660.1@56.5,69.675
  Top Layer w0.4: R665.1@54,72.5 v1(55,72.5) ; R666.1@56.5,70.5 v1(56.5,70) 56.5,69.675 C660.1@56.5,69.5 v1(57.5,69.5) ; v2(61.25,70) R670.2@62,70
  Bottom Layer w1: v1(55,72.5) 57.25,72.5 59.75,70 ; v1(57.5,69.5) 59.25,69.5 59.75,70 ; v2(61.25,70) 59.75,70
3.3V_RT: C103.1 C104.1 C105.1 D101.A L100.2 R101.1 R114.1 | length 12
  Top Layer w0.2: R101.1@80.5,32 v2(80.5,32.5) C103.1@80.5,33
  Layer 3 w0.2: v1(72,38.5) 72,38.4 72.4,38 75,38 v2(80.5,32.5)
5V: R100.1 R108.1 R200.2 R203.2 R603.1 R669.1 R675.1 R683.2 | length 27.8
  Top Layer w0.2: v1(42,19) R203.2@42,20 ; v1(62,19) R200.2@62,20
  Top Layer w0.4: R669.1@63,72.5 v2(63.75,72.5) ; R675.1@81,29 v2(81,29.5)
  Top Layer w0.6: R100.1@79.5,40 v2(80.25,40) ; R108.1@90.5,10 v2(91,10)
  Bottom Layer w0.4: v1(25.5,78.6) R603.1@25.5,79.6
  Bottom Layer w1: v1(25.5,78.6) 27.67,78.6 29.27,77 32.9,77 36,80.1 v1(36,90)
  other v1: 87,29 86,30
  other v2: 87,31
5V_AP: C108.1 C109.1 IC101.3 R108.2 R112.1 R113.1 | length 14.7
  Top Layer w0.2: IC101.3@86.95,10.75 IC101.3@87,10.8
  Top Layer w0.3: IC101.3@86.9,10.75 86.95,10.75 87.65,10.75 87.95,11.05 C108.1@88.5,11.05 ; v1(88.5,10) C108.1@88.5,11
  Top Layer w0.6: v1(81.5,9.5) R112.1@82.5,9.5 ; R108.2@89.5,10 C109.1@89.5,11
  Top Layer w0.7: C108.1@88.5,11.05 C109.1@90,11.05
  Bottom Layer w0.3: v1(81.5,9.5) 82.9,8.1 86.5,8.1 88.4,10 v1(88.5,10)
5V_LCD: C661.1 IC660.VDD R660.2 R661.2 R662.1 R663.2 R667.1 R668.1 R669.2 | length 7.3
  Top Layer w0.4: v1(45.5,76) R661.2@45.5,77 R660.2@45.5,78 v1(45.5,79) ; v1(45.5,83) R662.1@45.5,84 ; R663.2@48,70.5 C661.1@48,72 ; R667.1@48,73.5 v2(48,74) R668.1@48,74.5 ; v2(61.25,72.5) R669.2@62,72.5
  other v2: 48,71.3
5V_RT: C101.1 C102.1 D100.A IC100.8-VIN R100.2 R104.1 | length 19.6
  Top Layer w0.2: D100.A@69.15,33.65 D100.A@69,33.65 69.05,33.7 v2(70,33.7) R104.1@70,34.5 ; C101.1@77.95,39 C101.1@78,39
  Top Layer w0.6: C102.1@77.95,40.5 78,40.5 C101.1@78,39 ; IC100.8-VIN@78,36.9 C101.1@78,39 ; v2(79.5,38.3) R100.2@79.5,39 C101.1@78,39
  Bottom Layer w0.6: v2(70,33.7) 70.665,34.365 72.25,34.365 73.6,35.715 73.6,36.2 75.3,37.9 76.6,37.9 77,38.3 v2(79.5,38.3)
AB_N: Conn640.1 R640.2 R646.2 R658.1 TVS642.D1 | length 10.8
  Top Layer w0.13: Conn640.1@12.5,66.5 12.5,66 12.87,65.63 13.87,65.63 15.14,64.36 16.4,64.36 16.5,64.46 R646.2@16.5,64.865
  Bottom Layer w0.13: R658.1@12,68 12,67 Conn640.1@12.5,66.5 ; Conn640.1@12.5,66.46 TVS642.D1@16,66.46
AB_P: Conn640.3 R640.1 R643.2 R657.1 TVS642.D2 | length 13
  Top Layer w0.13: Conn640.3@12.5,64.5 12.5,65 12.87,65.37 13.762,65.37 15.032,64.1 16.4,64.1 16.5,64 R643.2@16.5,63.595
  Bottom Layer w0.13: R657.1@9,63.5 11.5,63.5 Conn640.3@12.5,64.5 ; Conn640.3@12.5,64.54 TVS642.D2@16,64.54
ACT_ANEN: IC740.26 R749.2 | length 5.6
  Bottom Layer w0.3: R749.2@25,31.5 26.3,31.5 27,32.2 27,34 27.25,34.25 IC740.26@28.4,34.25
Boot0: IC700.94 R710.1 R712.2 | length 7.4
  Top Layer w0.2: IC700.94@47,57.75 47,56.8 46.3,56.1 46.3,55.3 47,54.6 48.2,54.6 49,53.8 v3(49,53.5)
  Bottom Layer w0.4: R710.1@48.5,53.5 R712.2@49.5,53.5
CAN_N: Conn600.2 D600.C2 IC600.6 R606.2 | length 13.4
  Top Layer w0.13: Conn600.2@28.75,91 27.795,91 27.63,90.835 27.63,82.12 27.7,82.05 IC600.6@28.77,82.05
  Bottom Layer w0.13: Conn600.2@28.3,91.2 27.802,91.698 27.802,92.302 R606.2@28.5,93
CAN_P: Conn600.3 D600.C1 IC600.7 R605.1 | length 13.4
  Top Layer w0.13: IC600.7@26.23,82.05 27.3,82.05 27.37,82.12 27.37,90.835 27.205,91 Conn600.3@26.25,91
  Bottom Layer w0.13: R605.1@26.5,93 27.198,92.302 27.198,91.698 Conn600.3@26.7,91.2
ChassisE: C749.2 C751.2 Conn740.Shield R302.2 | length 6.1
  Top Layer w0.5: v1(5,11.5) R302.2@5,10.5 v1(6,10.5)
  Bottom Layer w0.2: C751.2@28.5,13 C751.2@28.5,13.05
  Bottom Layer w0.6: v1(27,13) C751.2@28.5,13 ; v1(28.5,12) C751.2@28.5,13 ; v1(30,13) C751.2@28.5,13
  other v1: 37.5,16.5 37.5,17.5
ChassisU: C668.2 Conn660.Shell1 Conn660.Shell2 Conn660.Shell3 Conn660.Shell4 R303.1 | length 3.1
  Top Layer w0.5: R303.1@95,10.5 v1(95,11.5)
  Bottom Layer w0.6: C668.2@98.45,31.6 98.45,29.54 Conn660.Shell4@98.5,29.49
CTS_N: Conn640.10 R647.2 R654.2 TVS643.D1 | length 24.4
  Top Layer w0.13: Conn640.10@10.5,58.5 10.5,59 10.13,59.37 7.07,59.37 6.1,58.4 6.1,55.6 6.94,54.76 11.592,54.76 15.192,58.36 16.4,58.36 16.5,58.46 R654.2@16.5,58.865
  Bottom Layer w0.13: TVS643.D1@7,58.54 Conn640.10@10.5,58.54
CTS_P: Conn640.8 R647.1 R651.2 TVS643.D2 | length 25.3
  Top Layer w0.13: Conn640.8@10.5,60.5 10.5,60 10.13,59.63 8.138,59.63 6.962,59.63 5.84,58.508 5.84,55.492 6.832,54.5 11.7,54.5 15.3,58.1 16.4,58.1 16.5,58 R651.2@16.5,57.595
  Bottom Layer w0.13: TVS643.D2@7,60.46 Conn640.8@10.5,60.46
Gcan: C601.2 C602.2 D600.A IC600.5 R601.1 R604.2 | length 5.3
  Top Layer w0.4: v2(30.5,81.25) IC600.5@31.3,81.25 ; v2(30.5,82.5) IC600.5@31.3,82.5 ; v2(31.3,86.75) R601.1@31.3,87.5
  Bottom Layer w0.3: D600.A@27.5,93.49 v3(27.5,94) C602.2@27.5,94.5
  Bottom Layer w0.4: C601.2@26.5,82.5 27,82 27.5,82 ; R604.2@30.5,80.5 v2(30.5,81.25)
Gnd: C40_Bt1.2 C40_Bt2.2 C40_Bt3.2 C60_Sw1.2 C60_Sw2.2 C60_Sw3.2 C101.2 C102.2 C104.2 C105.2 C106.2 C107.2 C108.2 C109.2 C111.2 C112.2 C200.2 C201.2 C202.2 C203.2 C600.2 C620.2 C621.2 C622.2 C640.2 C641.2 C660.2 C661.2 C662.2 C663.2 C664.2 C665.2 C666.2 C667.2 C668.1 C700.2 C701.2 C702.2 C703.2 C704.2 C705.2 C706.2 C707.2 C708.2 C709.2 C710.2 C711.2 C712.2 C713.2 C714.2 C715.2 C716.2 C717.2 C718.2 C740.2 C741.2 C742.2 C743.2 C744.2 C745.2 C746.2 C747.2 C748.2 C749.1 C750.1 C752.2 C753.2 C754.1 Conn140.3 Conn141.2 Conn141.5 Conn200.2 Conn200.4 Conn200.6 Conn200.8 Conn200.10 Conn200.12 Conn200.14 Conn200.16 Conn201.2 Conn201.4 Conn201.6 Conn201.8 Conn201.10 Conn201.12 Conn201.14 Conn201.16 Conn620.2 Conn620.5 Conn640.5 Conn640.6 Conn660.A1 Conn660.A12 Conn660.B1 Conn660.B12 Conn700.4 Conn700.6 Conn700.8 Conn700.10 Conn700.12 Conn700.14 Conn700.16 Conn700.18 Conn700.20 D103.C D663.A IC100.4-GND IC100.EP-GND IC101.4 IC101.8 IC101.EP IC200.11 IC200.12 IC200.13 IC201.11 IC201.12 IC201.13 IC600.4 IC620.15 IC640.4 IC641.4 IC660.LED- IC660.VSS IC661.1 IC662.3 IC662.13 IC662.EP IC700.10 IC700.20 IC700.27 IC700.74 IC700.99 IC740.15 IC740.19 IC740.35 IC740.36 IC740.47 IC741.GND Q80_LdG.S Q80_LdO.S Q80_LdR.S Q80_LdY.S R41_Bt1.2 R41_Bt2.2 R41_Bt3.2 R61_Sw1.2 R61_Sw2.2 R61_Sw3.2 R81_LdG.2 R81_LdO.2 R81_LdR.2 R81_LdY.2 R102.2 R103.2 R105.1 R110.2 R111.2 R300.2 R301.1 R604.1 R664.2 R678.2 R712.1 R713.1 R746.2 Sw700.B TVS620.Common TVS621.Common TVS640.Common TVS641.Common TVS642.Common TVS643.Common Xtal701.GND1 Xtal701.GND2 | length 101.4
  Top Layer w0.2: R81_LdG.2@30.5,62.5 v2(31,62.5) Q80_LdG.S@31.45,62.5 ; C714.2@32.146,48.354 32.146,48.646 v2(32.5,49) Xtal701.GND1@32.95,49.45 ; C718.2@32.146,51.146 32.146,50.854 v2(32.5,50.5) Xtal701.GND1@32.8,50.2 ; C702.2@32.5,54.5 v2(32.5,55) C701.2@32.5,55.5 ; R81_LdY.2@35,62.5 Q80_LdY.S@35.95,62.5 ; R81_LdO.2@39.5,62.5 Q80_LdO.S@40.45,62.5 ; IC700.20@42.25,46.5 v1(43.5,46.5) ; IC700.10@42.25,51.5 43.1,51.5 43.5,51.9 v1(43.5,52) ; v1(43.5,60) 44.5,59 IC700.99@44.5,57.75 v1(44.5,56.5) ; C202.2@44,21.5 v2(44.7,21.5) ; C203.2@44,23.5 v2(44.7,23.5) ; R81_LdR.2@44,62.5 Q80_LdR.S@44.95,62.5 ; 44.5,41.4 IC700.27@44.5,42.25 v1(44.5,43.5) ; IC201.11@51.9,19.5 51.9,20.2 v2(52.2,20.5) 52.575,20.125 IC201.12@52.575,19.5 IC201.11@51.925,19.5 ; IC201.13@52.575,25.5 52.575,25.225 52.6,25.2 v2(52.6,24.5) ; IC700.74@57.75,55.5 v1(59,55.5) ; C200.2@64,21.5 v2(64.7,21.5) ; C201.2@64,23.5 v2(64.7,23.5) ; v2(71.5,33) 71.595,33.095 IC100.4-GND@72.25,33.095 72.905,33.095 v2(73,33) ; IC200.11@71.9,19.5 71.9,20.2 v1(72.2,20.5) 72.575,20.125 IC200.12@72.575,19.5 IC200.11@71.925,19.5 ; IC200.13@72.575,25.5 72.575,25.225 72.6,25.2 v1(72.6,24.5) ; v1(74,42.5) R102.2@74,43.5 ; v2(77,31.5) R103.2@77.5,31.5 ; C106.2@80.5,35 v2(81,35) C107.2@81.5,35 ; IC101.8@85,9.65 IC101.8@85.1,9.75 ; D103.C@89.5,7.25 89.55,7.3 v2(90.4,7.3)
  Top Layer w0.3: IC620.15@15.875,30.5 15.875,31.875 v2(16,32) C620.2@16,32.5 ; v2(19.5,21) C621.2@19.5,21.5 ; v1(22.15,36.7) IC741.GND@22.4,36.7 ; C742.2@30,35 C748.2@31,35 ; v2(32.5,35) C740.2@33,35 ; R41_Bt1.2@49.5,62.5 v2(50,62.5) ; IC661.1@55,69 v1(55.5,68.5) C660.2@56.5,68.5 ; C40_Bt1.2@59.5,61.5 59.5,61.2 v2(59.8,60.9) ; R41_Bt2.2@61,62.5 v2(61.5,62.5) ; C60_Sw1.2@67.5,52 v1(67.5,53) ; C40_Bt2.2@71,61.5 71,61.2 v2(71.3,60.9) ; R41_Bt3.2@72.5,62.5 v2(73,62.5) ; C662.2@78,21.75 78.25,22 v1(79,22) C663.2@80,22 v2(80,23) ; v1(80,26.5) 80.525,25.975 IC662.13@80.69,25.975 ; R678.2@80,29 v2(80,29.5) ; C40_Bt3.2@82.5,61.5 82.5,61.2 v2(82.8,60.9) ; IC662.3@82.825,23.19 82.825,22.475 83,22.3 v1(83,22) ; C665.2@83,29 v1(84,29) ; v1(84.5,28) C664.2@85.5,28 ; v1(85,9) IC101.8@85,9.65 ; IC101.8@85.1,9.75 85.75,9.75 v1(86,10) ; v1(86,11) 86.25,11.25 IC101.4@86.9,11.25
  Top Layer w0.4: v1(24,61.4) v2(26.5,61.4) ; v1(24,67.4) v1(27,67.4) ; v2(30.5,72.5) IC600.4@31.3,72.5 ; IC600.4@31.3,73.5 v1(31.3,75) ; C661.2@49,72 v1(50,72)
  Top Layer w0.5: v1(5,88.5) R300.2@5,89.5 v1(6,89.5) ; v1(94,89.5) R301.1@95,89.5 v1(95,88.5)
  Top Layer w0.6: v1(86.45,13.5) v1(86.45,15) ; v1(88.5,12.95) v1(90,12.95)
  Bottom Layer w0.3: C752.2@24.9,29.25 C754.1@25.65,29.25 ; v1(27,39.5) 27.25,39.25 IC740.36@28.4,39.25 ; v1(28.5,40) 28.4,39.9 IC740.36@28.4,39.25 ; v1(29.75,38.5) 29.5,38.75 IC740.35@28.4,38.75 IC740.36@28.4,39.25 ; C753.2@31.25,29.25 C750.1@32,29.25 ; v1(32,34) 32.25,33.75 IC740.19@32.25,32.4 ; IC740.15@34.25,32.4 34.25,30.75 v1(34.5,30.5) ; C700.2@45.5,50.5 v3(46,50.5) ; D663.A@95.99,25 v3(96.49,25)
  Bottom Layer w0.4: TVS621.Common@4,24.5 v1(4,25.5) ; v1(4,29.5) TVS620.Common@4,30.5 ; TVS643.Common@5,59.5 v1(5,60.5) ; v1(5,64.5) TVS641.Common@5,65.5 ; C641.2@24,59.5 v1(24,60.2) ; C640.2@24,65.5 v1(24,66.2) ; C600.2@26.5,72.5 v1(27.5,72.5) ; v1(30.5,78.75) R604.1@30.5,79.5 ; v1(43.5,52) 44,52.5 C707.2@44.5,52.5 v3(45,52.5) ; v1(44.5,43.5) C704.2@44.5,44.5 ; C715.2@44.5,54.5 v3(44.5,55) C709.2@44.5,55.5 v1(44.5,56.5) ; v3(46,45.5) C712.2@45.5,45.5 C713.2@45.5,46.5 ; v3(46,46.5) C713.2@45.5,46.5 ; v3(46,47.5) C705.2@45.5,47.5 ; v3(46,48.5) C710.2@45.5,48.5 C705.2@45.5,47.5 ; C711.2@47.5,47 v3(47.5,47.5) ; v1(50.5,52) R712.1@50.5,53.5 ; v1(51.7,49.1) C703.2@51.7,50 ; C716.2@55,45.5 v3(55.5,45.5) C708.2@56,45.5 ; C713.2@45.5,46.5 C705.2@45.5,47.5
  other v1: 86,9 86,12 40.5,16.5 82,17 40.5,17.5 15,22.5 88.5,23.5 82,24.5 83,24.5 82,25.5 83,25.5 88.5,26.5 87,26.7 94.5,31 94.5,32 74.5,34.5 75.5,34.5 74.5,35.5 75.5,35.5 26,36 38,37 79.5,37 24.7,37.2 31,37.2 34.5,37.95 32.95,38.5 34.25,39 73.95,39 76,39 21,39.5 23,39.5 37,40.1 43,40.3 45,40.3 74,40.5 76,40.5 14,41 58.6,41.8 34.75,42 32.5,44 47.5,44 14,45 19.1,45.5 25.9,45.5 35.967,50.159 46.5,86
  other v2: 30.5,35 55,40 58.7,40.3 35.5,62.5 40,62.5 44.5,62.5
  other v3: 25.3,29.2 31.65,29.2 28,31 55,55.5
LINK_AN0: IC740.28 R752.2 | length 4.1
  Bottom Layer w0.3: R752.2@25.043,33.457 26.836,35.25 IC740.28@28.4,35.25
NetC100_1: C100.1 D100.C IC100.2-BOOT | length 3.9
  Top Layer w0.2: C100.1@71,35.5 v2(71.5,35.5) 71.635,35.635 IC100.2-BOOT@72.25,35.635
  Layer 3 w0.2: v1(69,35.35) 71.35,35.35 v2(71.5,35.5)
NetC100_2: C100.2 IC100.1-SW L100.1 | length 3.1
  Top Layer w0.2: IC100.1-SW@72.25,36.905 72.295,36.905 IC100.1-SW@72.3,36.9
  Top Layer w0.3: C100.2@70,35.5 L100.1@70,36.7
  Top Layer w0.5: L100.1@70.5,36.9 IC100.1-SW@72.3,36.9
NetC103_2: C103.2 IC100.5-FB R101.2 R103.1 | length 4
  Top Layer w0.2: IC100.5-FB@77.75,33.095 77.795,33.095 77.8,33.1 79.4,33.1 C103.2@79.5,33 R101.2@79.5,32 79,32 R103.1@78.5,31.5
NetC106_1: C106.1 IC100.6-COMP R107.1 | length 3
  Top Layer w0.2: IC100.6-COMP@77.75,34.365 78.665,34.365 ; R107.1@79.5,34 79.03,34 78.665,34.365 ; C106.1@79.5,35 79.3,35 78.665,34.365
NetC107_1: C107.1 R107.2 | length 1
  Top Layer w0.2: R107.2@80.5,34 80.9,34 C107.1@81.5,34
NetC110_2: C110.2 IC101.1 R109.2 R111.1 | length 3
  Top Layer w0.3: IC101.1@86.9,9.75 86.9,9.1 R111.1@87,9 87.5,8.5 R109.2@87.5,8 C110.2@88.5,8
NetC200_1: C200.1 IC200.1 R200.1 R202.1 | length 4.1
  Top Layer w0.2: R200.1@63,20 63,20.5 ; R202.1@63,21 63,20.5 ; IC200.1@65.425,19.5 64.5,19.5 64,20 C200.1@64,20.5 63,20.5
NetC201_1: C201.1 IC200.23 IC200.24 R201.2 | length 3.5
  Top Layer w0.2: R201.2@63,24.5 C201.1@64,24.5 65,25.5 IC200.24@65.425,25.5 IC200.23@66.075,25.5
NetC202_1: C202.1 IC201.1 R203.1 R205.1 | length 4.1
  Top Layer w0.2: R203.1@43,20 43,20.5 ; R205.1@43,21 43,20.5 ; IC201.1@45.425,19.5 44.5,19.5 44,20 C202.1@44,20.5 43,20.5
NetC203_1: C203.1 IC201.23 IC201.24 R204.2 | length 3.5
  Top Layer w0.2: R204.2@43,24.5 C203.1@44,24.5 45,25.5 IC201.24@45.425,25.5 IC201.23@46.075,25.5
NetC600_1: C600.1 IC600.1 R600.2 | length 3.9
  Top Layer w0.4: IC600.1@23.7,72.5 v2(24.5,72.5)
  Bottom Layer w0.4: v2(24.5,72.5) C600.1@25.5,72.5 R600.2@25.5,74.6
NetC602_1: C602.1 R605.2 R606.1 | length 3.5
  Bottom Layer w0.4: R605.2@26,94.95 26.55,95.5 C602.1@27.5,95.5 28.45,95.5 R606.1@29,94.95
NetC620_1: C620.1 IC620.16 R620.2 | length 3.6
  Top Layer w0.3: R620.2@15,34 C620.1@15,32.5 15,31.175 15.225,30.95 IC620.16@15.225,30.5
NetC621_1: C621.1 IC620.6 | length 2.6
  Top Layer w0.2: IC620.6@18.475,24.5 18.475,23.275 19.25,22.5 C621.1@19.5,22.5
NetC622_1: C622.1 IC620.2 | length 2.1
  Top Layer w0.2: IC620.2@15.875,24.5 15.875,23.425 16,23.3 C622.1@16,22.5
NetC623_1: C623.1 IC620.1 | length 3.8
  Top Layer w0.2: C623.1@15,21.5 14.5,21.5 14,22 14,22.9 IC620.1@15.2,24.1
NetC623_2: C623.2 IC620.3 | length 3.7
  Top Layer w0.2: C623.2@16,21.5 16.5,21.5 16.7,21.7 16.7,23.1 16.525,23.275 IC620.3@16.525,24.5
NetC624_1: C624.1 IC620.4 | length 2.6
  Top Layer w0.2: IC620.4@17.175,24.5 17.175,23.125 17.5,22.8 C624.1@17.5,22
NetC624_2: C624.2 IC620.5 | length 2.8
  Top Layer w0.2: IC620.5@17.825,24.5 17.825,23.075 18.5,22.4 C624.2@18.5,22
NetC701_1: C701.1 R708.2 Xtal700.2 | length 3
  Top Layer w0.2: C701.1@32.5,56.5 R708.2@35.5,56.5
NetC702_1: C702.1 R709.2 Xtal700.1 | length 3
  Top Layer w0.2: C702.1@32.5,53.5 R709.2@35.5,53.5
NetC714_1: C714.1 R715.2 Xtal701.1 | length 5.2
  Top Layer w0.2: C714.1@32.9,47.6 Xtal701.1@33.8,48.5 ; Xtal701.1@34.9,48.4 35.2,48.1 35.4,48.1 37.1,49.8 R715.2@38,49.8
NetC716_1: C716.1 IC700.49 | length 2.5
  Top Layer w0.2: v3(55,44) 55.2,43.8 55.2,43.5 55.5,43.2 IC700.49@55.5,42.25
  Bottom Layer w0.4: v3(55,44) C716.1@55,44.5
NetC717_1: C717.1 IC700.73 | length 1.7
  Top Layer w0.2: v3(56.5,55) IC700.73@57.75,55
  Bottom Layer w0.4: C717.1@56,55 v3(56.5,55)
NetC718_1: C718.1 R714.2 Xtal701.2 | length 4.7
  Top Layer w0.2: C718.1@32.854,51.854 33.846,51.854 Xtal701.2@34.1,51.6 ; Xtal701.2@35.1,51.3 35.4,51.6 35.9,51.6 36.7,50.8 R714.2@38,50.8
NetC740_1: C740.1 C741.1 C742.1 C743.1 IC740.18 IC740.23 IC740.37 | length 6.4
  Top Layer w0.3: v1(29.75,39.5) 30.3,39.5 31.05,38.75 C743.1@31.05,38.5
  Bottom Layer w0.3: v1(29.75,39.5) IC740.37@29.75,40.6 ; v1(30,34) 30,33.6 30.25,33.35 IC740.23@30.25,32.4 ; IC740.18@32.75,32.4 32.75,33.75 v1(33,34)
NetC751_1: C751.1 R755.2 R756.2 | length 5.4
  Bottom Layer w0.3: R755.2@27.5,19.5 28.5,18.5 ; C751.1@28.5,15.95 28.5,18.5 ; R756.2@29.5,19.5 28.5,18.5
NetConn141_1: Conn141.1 R142.1 | length 3.5
  Top Layer w0.4: Conn141.1@8.5,50 R142.1@12,50
NetConn141_3: Conn141.3 R143.1 | length 3.5
  Top Layer w0.4: Conn141.3@8.5,46 R143.1@12,46
NetConn141_4: Conn141.4 R144.1 | length 3.5
  Top Layer w0.4: Conn141.4@8.5,44 R144.1@12,44
NetConn141_6: Conn141.6 R145.1 | length 3.5
  Top Layer w0.4: Conn141.6@8.5,40 R145.1@12,40
NetConn200_1: Conn200.1 IC200.3 | length 9
  Top Layer w0.2: Conn200.1@62,13 62,14.5 65,17.5 66,17.5 66.725,18.225 IC200.3@66.725,19.5
NetConn200_3: Conn200.3 IC200.4 | length 8.5
  Top Layer w0.2: Conn200.3@64,13 64,15 65.5,16.5 66.5,16.5 67.375,17.375 IC200.4@67.375,19.5
NetConn200_5: Conn200.5 IC200.5 | length 7.3
  Top Layer w0.2: Conn200.5@66,13 66,14.5 68.025,16.525 IC200.5@68.025,19.5
NetConn200_7: Conn200.7 IC200.6 | length 6.8
  Top Layer w0.2: Conn200.7@68,13 68,15 68.675,15.675 IC200.6@68.675,19.5